# Altium PCB iMX53_BB_PCB_V1I1.PcbDoc (part 7 of 9) (continued)
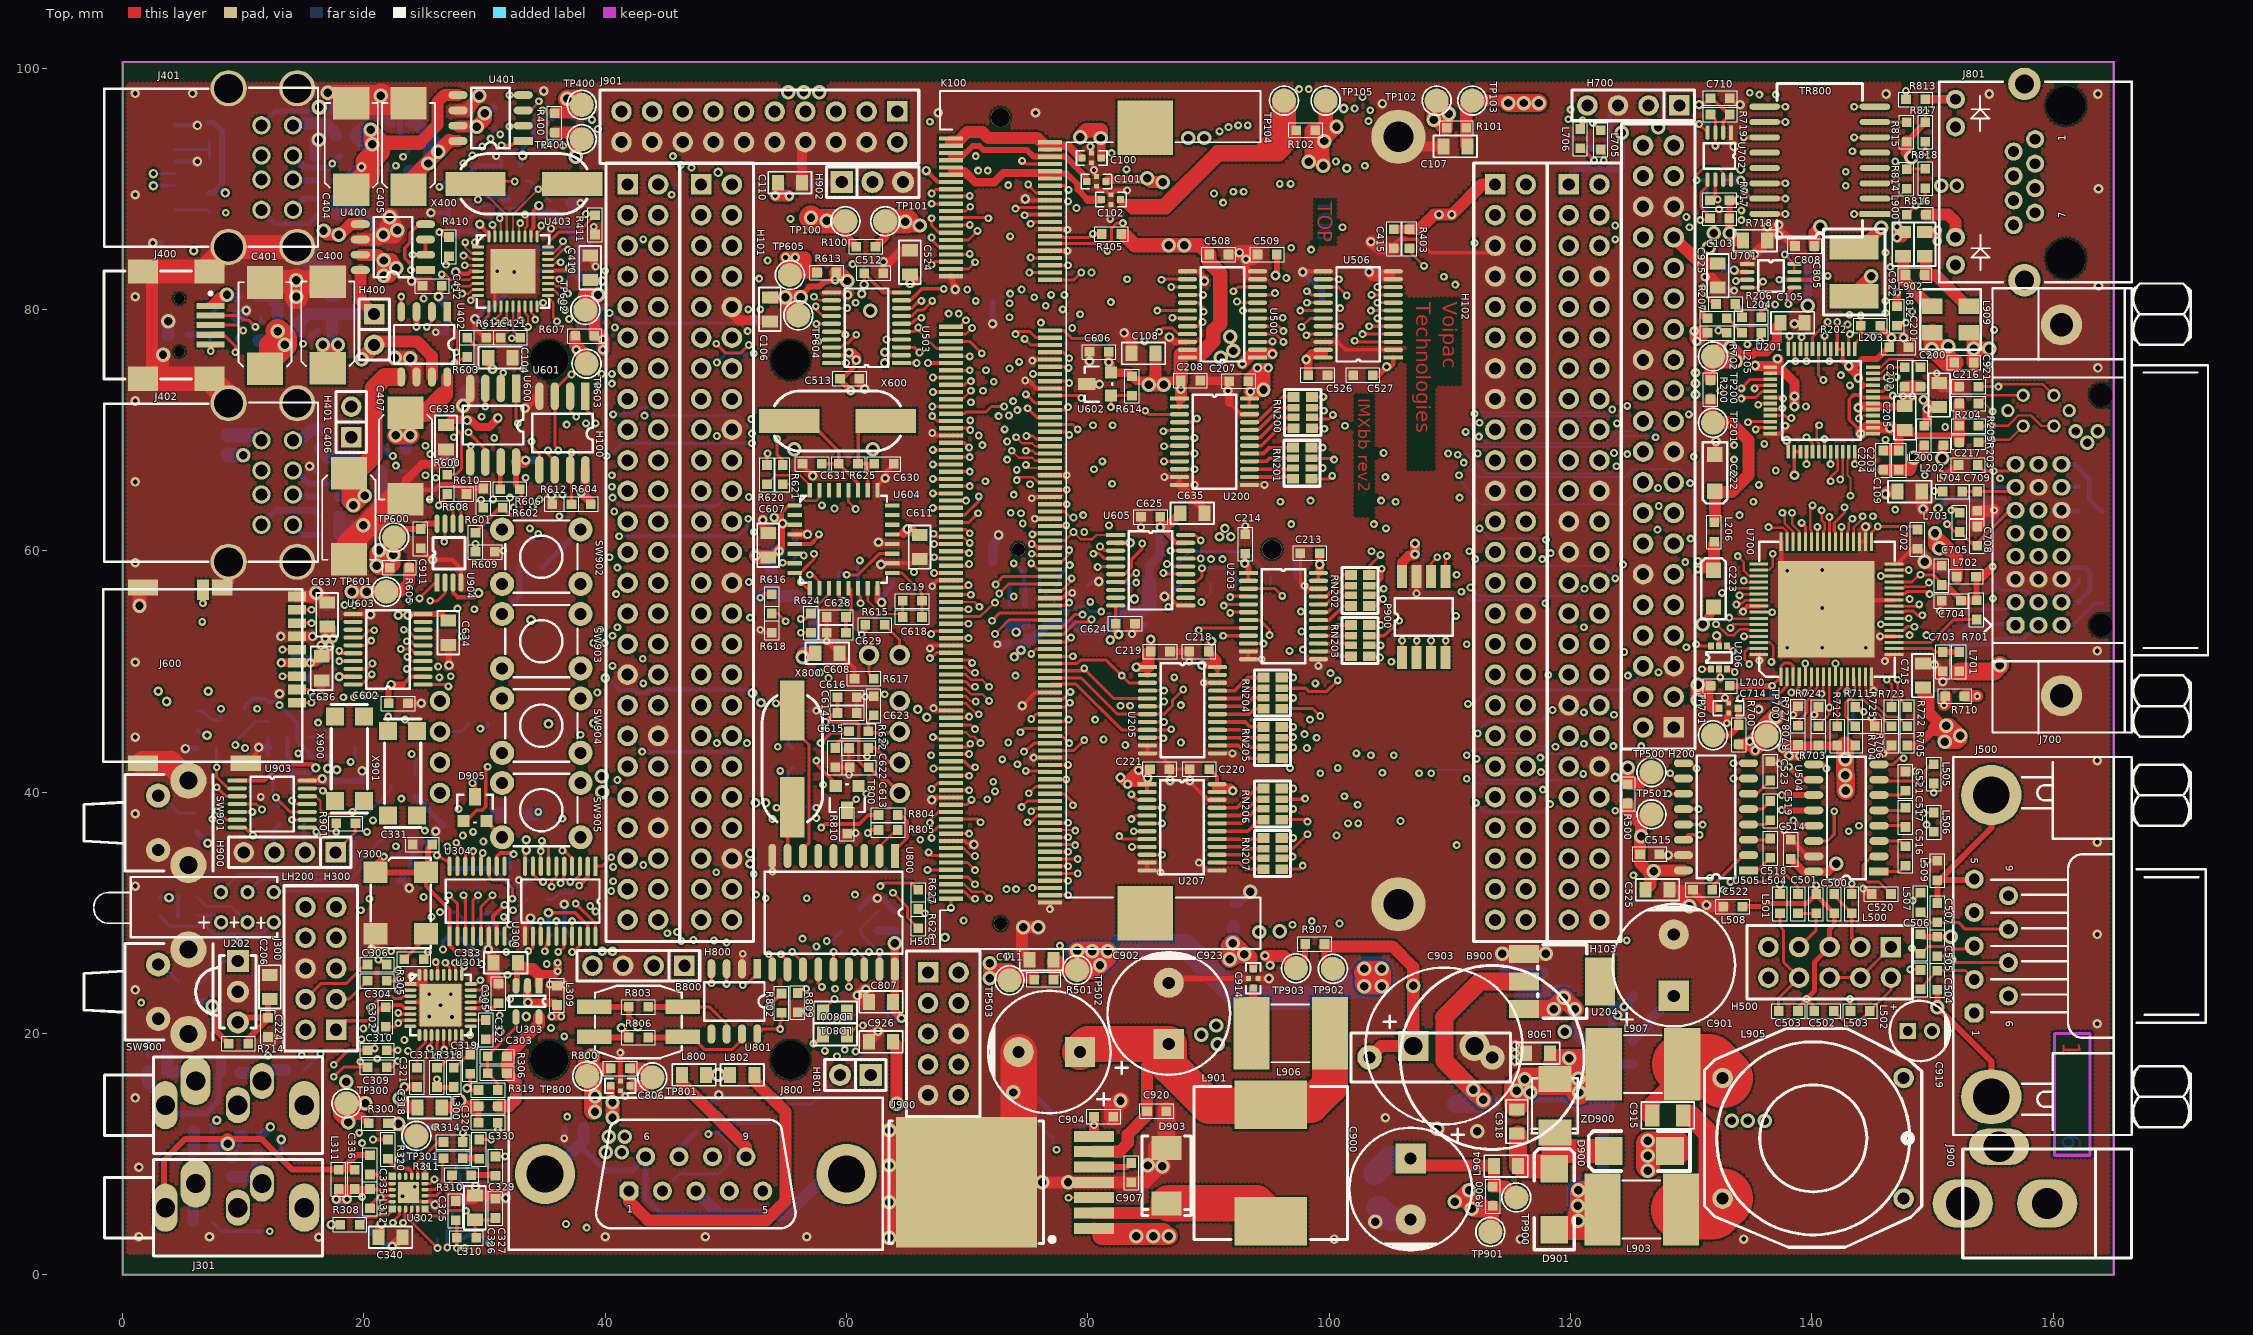
[diagram p0: Top view]
## Nets (pads, with @x,y where several pads share a name; then routed paths per layer and width w, separated by ;. In a path a pad name is that pad's centre, name@x,y a point inside that pad or via, vN(x,y) a via of type N, cw(c..) or ccw(c..) an arc to the next point about the centre after c; other vN are vias at no path point) (continued)
  Bottom w0.25: v1(40.6,64.4) 40.45,64.5 40.575,64.375 41.25,63.7 49.23,63.7 H101.22@50.49,64.96
SSI1_INT: H100.22 K100.83 | length 25.6
  Top w0.25: v1(67.15,65.95) K100.83@68.65,65.95
  SignalH w0.15: H100.22@44.39,64.96 46.16,64.96 47.55,66.35 51.35,66.35 51.8,65.9 54.424,65.9 54.756,65.569 61.204,65.569 61.523,65.25 66.1,65.25 66.8,65.95 v1(67.15,65.95)
SSI1_RXD: H102.22 K100.84 U300.8 | length 123.6
  Top w0.2: v1(74.1,65.85) 74.35,66.1 75.45,66.1 75.9,65.65 K100.84@76.85,65.65
  Top w0.25: U300.8@34.65,33.85 v1(34.65,35.102)
  SignalH w0.15: v1(33.75,61.85) 33.986,62.086 34.614,62.086 36.35,60.35 40.3,60.35 v1(41.15,61.2) ; v1(51.85,62.65) 52.014,62.814 52.414,62.814 53,63.4 54.577,63.4 55.677,62.3 58.127,62.3 58.777,61.65 63.3,61.65 63.8,61.15 66.05,61.15 66.9,62 73.35,62 v1(74.45,63.1) 74.6,63.25 78.45,63.25 78.9,63.7 93.749,63.7 93.949,63.5 97.2,63.5 97.826,62.874 100.224,62.874 100.75,63.4 109.8,63.4 110.25,63.85 115.18,63.85 H102.22@116.29,64.96
  SignalV w0.15: v1(33.75,61.85) 33.81,61.79 33.81,56.59 34.55,55.85 34.55,49.64 33.85,48.94 33.85,44.85 34.3,44.4 34.3,42.034 33.9,41.634 33.9,37.869 34.2,37.569 34.2,35.552 v1(34.65,35.102) ; v1(74.1,65.85) 74.45,65.5 v1(74.45,63.1)
  Bottom w0.25: v1@40.95,61.2 v1(41.15,61.2) 50.95,61.2 51.85,62.1 v1(51.85,62.65)
SSI1_TXD: H101.21 K100.85 U300.6 | length 72.7
  Top w0.25: v1(35.55,32.15) 35.55,32.6 35.95,33 U300.6@35.95,33.85 ; K100.85@68.65,65.35 v1(70.2,65.35)
  SignalH w0.15: v1(36.45,64.65) 37.256,63.844 40.982,63.844 41.326,63.5 46.49,63.5 H101.21@47.95,64.96 48.81,64.96 49.9,66.05 51.1,66.05 51.55,65.6 51.577,65.6 54.3,65.6 54.65,65.25 61.099,65.25 61.449,64.9 66.3,64.9 66.75,65.35 v1(70.2,65.35)
  SignalV w0.15: v1(35.55,32.15) 35.6,32.9 35.6,36.951 35.6,38.95 35.4,39.15 35.4,44.624 35.95,45.174 35.95,46 35.6,46.35 35.6,63.3 36.45,64.15 v1(36.45,64.65)
SSI2_CLK: H102.24 K100.92 U300.4 | length 115.2
  Top w0.25: v1(36.45,35.15) 36.6,35.15 37.25,34.5 U300.4@37.25,33.85 ; K100.92@76.85,63.25 78.05,63.25 78.55,62.75 v1(78.8,62.75)
  SignalH w0.15: v1(78.8,62.75) 79.15,62.4 80.25,62.4 80.95,63.1 93.5,63.1 93.776,62.824 95.176,62.824 96.243,61.757 96.7,61.3 105.2,61.3 105.85,61.95 111.3,61.95 111.95,61.3 115.17,61.3 H102.24@116.29,62.42
  SignalV w0.15: v1(36.45,35.15) 36.2,35.4 36.2,36.75 37.1,37.65 37.1,39.05 36.55,39.6 36.55,39.626 36.3,39.876 36.3,43.974 39.35,47.024 v1(39.35,48.25) ; v1(58.5,49.45) 58.518,49.732 58.518,50.332 58.257,50.593 58.257,51.7 57.65,52.307 57.65,54.05 58,54.4 58,56.9 58.45,57.35 58.45,58.849 59.15,59.549 59.15,63.15 v1(59,63.5)
  Power w0.15: v1(39.35,48.25) 40.1,48.6 42.1,48.6 42.45,48.25 43.4,48.25 43.75,48.6 51,48.6 51.65,49.25 58.2,49.25 v1(58.5,49.45) ; v1(59,63.5) 60.05,62.45 63.2,62.45 63.65,62.9 66.45,62.9 66.7,62.65 68.524,62.65 69.174,63.3 70.3,63.3 70.65,63.65 71.9,63.65 72.25,64 73.25,64 73.55,63.7 74.726,63.7 75.126,63.3 78.25,63.3 v1(78.8,62.75)
SSI2_FS: H101.23 K100.93 U300.3 | length 75.4
  Top w0.25: v1(37.1,32.55) 37.3,32.55 37.9,33.15 U300.3@37.9,33.8 ; K100.93@68.65,62.95 69.8,62.95 70.95,64.1 v1(70.95,64.5)
  SignalH w0.15: H101.23@47.95,62.42 48.42,62.42 49.5,63.5 52.2,63.5 52.75,64.05 54.776,64.05 55.926,62.9 58.376,62.9 59.026,62.25 63.624,62.25 64.224,62.85 69.5,62.85 v1(70.95,64.5)
  SignalV w0.15: v1(37.1,32.55) 37.1,35.3 36.6,35.8 36.6,36.7 37.452,37.552 37.452,39.148 36.6,40 36.6,43.65 37.7,44.75 v1(37.95,44.75) ; H101.23@47.95,62.42 47.95,62.4 49.2,61.15 v1(49.25,44.05)
  Power w0.15: v1(37.95,44.75) 39.75,44.75 41,43.5 42.25,43.5 42.7,43.95 43.55,43.95 44,43.5 48.6,43.5 49.15,44.05 v1(49.25,44.05)
SSI2_INT: H100.23 K100.89 U300.5 | length 69
  Top w0.25: v1(36.3,32.45) 36.3,32.6 36.6,32.9 U300.5@36.6,33.85 ; U300.5@36.65,33.85 U300.5@36.65,33.9 ; K100.89@68.65,64.15 v1(69.9,64.15)
  SignalH w0.15: v1(36.2,62.85) 36.35,63 39.85,63 40.43,62.42 H100.23@41.85,62.42
  SignalV w0.15: v1(36.2,62.85) 35.9,62.55 35.9,46.474 36.25,46.124 36.25,45.05 35.7,44.5 35.7,39.3 35.9,39.1 35.9,36.827 35.9,34.15 36.354,33.696 36.354,32.504 v1(36.3,32.45)
  Power w0.15: H100.23@41.8,62.45 41.85,62.45 42.45,62.45 43.5,63.5 55.85,63.5 56.75,64.4 60.1,64.4 60.35,64.15 v1(69.9,64.15)
SSI2_RXD: H102.23 K100.90 U300.1 | length 114.8
  Top w0.25: U300.1@39.2,33.85 39.75,33.85 v1(40.5,34.6) ; K100.90@76.85,63.85 v1(78.25,63.85)
  SignalH w0.15: v1@78.3,63.8 v1(78.25,63.85) 78.4,64 95.9,64 v1(95.95,64.05) ; v1(96.85,62.2) 96.95,62.1 100.55,62.1 101.25,62.8 113.37,62.8 H102.23@113.75,62.42
  SignalV w0.15: v1(40.5,34.6) 40.5,34.75 41.216,35.466 41.35,35.6 41.95,35.6 42.95,36.6 42.95,42.65 42.45,43.15 42.45,43.7 42.95,44.2 42.95,47.7 42.3,48.35 41.7,48.35 40.75,49.3 40.75,50.3 v1(40.6,50.45) ; v1(57.8,49.9) 57.855,50.145 57.855,51.678 57.35,52.183 57.35,52.426 57.35,54.3 57.7,54.65 57.7,57.05 58.15,57.5 58.15,58.973 58.85,59.673 58.85,62.85 v1(57.95,63.75) ; v1(95.95,64.05) 95.95,63.1 v1(96.85,62.2)
  Power w0.15: v1(40.6,50.45) 41,50.85 42.4,50.85 42.75,50.5 43.45,50.5 43.8,50.85 55.051,50.85 56,49.901 v1(57.8,49.9) ; v1(57.95,63.75) 58.3,64.1 59.25,64.1 60.6,62.75 63.076,62.75 63.676,63.35 66.5,63.35 66.9,62.95 68.4,62.95 69.05,63.6 70.15,63.6 70.5,63.95 71.75,63.95 72.15,64.35 73.35,64.35 73.7,64 74.85,64 75.115,63.735 78.135,63.735 v1(78.25,63.85)
SSI2_TXD: H100.24 K100.91 | length 26.2
  Top w0.25: v1(67.15,63.55) K100.91@68.65,63.55
  SignalH w0.15: H100.24@44.39,62.42 46.27,62.42 47.65,63.8 52.05,63.8 52.6,64.35 54.9,64.35 56.05,63.2 58.5,63.2 59.15,62.55 63.5,62.55 64.15,63.2 66.8,63.2 v1(67.15,63.55)
TSMX: H200.37 R303.2 | length 173.4
  SignalH w0.15: v1(31.6,29.65) 32.309,29.65 33.359,28.6 40.973,28.6 41.273,28.3 v1(45.15,28.3) ; v1(45.5,89.5) 45.8,89.2 51.05,89.2 53.65,91.8 65.5,91.8 67.29,93.59 70.587,93.59 71.027,93.15 76.923,93.15 76.924,93.15 78.856,95.081 90.569,95.081 v1(90.9,94.75) ; v1(90.45,89.6) 90.55,89.7 91.3,89.7 92.35,88.65 105.947,88.65 106.547,89.25 108.023,89.25 108.323,89.55 108.349,89.55 108.649,89.85 110,89.85 112.6,92.45 120.15,92.45 120.9,93.2 124.15,93.2 125.2,92.15 126.8,92.15 127.9,91.05 H200.37@128.55,91.05
  SignalV w0.15: v1(45.15,28.3) 45.15,28.45 45.65,28.95 45.65,89.35 v1(45.5,89.5) ; v1(90.45,89.6) 90.9,90.05 v1(90.9,94.75)
  Bottom w0.3: R303.2@29.45,29.25 29.45,29.4 30.05,30 31.25,30 v1(31.6,29.65)
TSMY: H200.38 R302.2 | length 173
  SignalH w0.15: v1(32.3,27.45) 32.75,27.7 40.6,27.7 40.9,27.4 43.8,27.4 44.1,27.1 46.65,27.1 v1(47.3,27.75) ; v1(47.15,91.75) 47.5,92.1 65.376,92.1 67.166,93.89 70.711,93.89 71.151,93.45 76.8,93.45 78.75,95.4 91.35,95.4 v1(91.65,95.1) ; v1(91.2,88.85) 91.7,88.35 106.071,88.35 106.671,88.95 108.147,88.95 108.447,89.25 108.473,89.25 108.773,89.55 110.25,89.55 112.8,92.1 120.25,92.1 121.05,92.9 123.85,92.9 124.608,92.142 125.7,91.05 H200.38@126.01,91.05
  SignalV w0.15: v1(47.15,91.75) 46.85,91.45 46.85,28.2 v1(47.3,27.75) ; v1(91.2,88.85) 91.2,89.8 91.536,90.136 91.536,94.986 v1(91.65,95.1)
  Bottom w0.3: R302.2@30.65,29.25 30.65,28.9 v1(32.3,27.45)
TSPX: H200.39 R301.2 | length 181.1
  SignalH w0.15: v1(26.55,26.95) 27.6,28 40.724,28 41.024,27.7 44,27.7 44.289,27.411 46.061,27.411 v1(46.3,27.65) ; v1(46.25,91.95) 46.7,92.4 65.2,92.4 66.99,94.19 70.836,94.19 71.276,93.75 76.674,93.75 78.624,95.7 92,95.7 v1(92.45,95.25) ; v1(92.05,89.75) 92.85,88.95 105.823,88.95 106.423,89.55 107.899,89.55 108.199,89.85 108.224,89.85 108.524,90.15 109.85,90.15 112.45,92.75 120,92.75 120.75,93.5 124.35,93.5 124.965,92.885 125.35,92.5 126.75,92.5 127.84,93.59 H200.39@128.55,93.59
  SignalV w0.15: v1(46.25,91.95) 46.5,91.7 46.5,27.75 v1(46.3,27.65) ; v1(92.05,89.75) 92.45,90.15 v1(92.45,95.25)
  Bottom w0.3: v1(26.55,26.95) 26.55,27.65 27.05,28.15 R301.2@27.05,29.25
TSPY: H200.40 R304.2 | length 179
  SignalH w0.15: v1(26.3,30.05) 27.25,30.05 29,28.3 40.849,28.3 41.108,28.04 41.149,28 44.2,28 44.463,27.737 45.487,27.737 45.95,28.2 v1(45.95,28.4) ; v1(45.6,92.7) 65.076,92.7 66.866,94.49 70.96,94.49 71.4,94.05 76.55,94.05 78.5,96 92.5,96 v1(93.25,95.25) ; v1(92.9,89.75) 93.4,89.25 105.699,89.25 106.299,89.85 107.774,89.85 108.074,90.15 108.1,90.15 108.497,90.547 109.797,90.547 112.3,93.05 119.85,93.05 121.042,94.242 123.408,94.242 123.85,93.8 125.8,93.8 H200.40@125.816,93.784 ; H200.40@125.8,93.784 H200.40@125.816,93.784 ; H200.40@126.01,93.59 H200.40@125.816,93.784
  SignalV w0.15: v1(45.6,92.7) 45.6,91.8 46.1,91.3 46.1,28.5 v1(45.95,28.4) ; v1(92.9,89.75) 93.25,90.1 v1(93.25,95.25)
  Bottom w0.3: v1(26.3,30.05) 27.65,30.05 28.25,29.45 R304.2@28.25,29.25
TVDD: C704.2 C705.2 L702.1 R701.1 U700.23 U700.29 | length 17.6
  Top w0.25: U700.23@146.8,54.4 v1(148.027,54.4) ; U700.29@146.8,57.4 148.3,57.4 v1@148.95,58.05 ; v1(149,58) 150.05,58 150.75,57.3 C705.2@150.75,57.15 ; C704.2@152.35,55.85 C704.2@152.35,55.95 ; R701.1@153.6,55.85 R701.1@153.65,55.9
  Top w0.5: C705.2@150.75,57.15 151.15,57.15 C704.2@152.35,55.95 ; L702.1@153.6,57.85 153.65,57.8 R701.1@153.65,55.9
  Top w0.7: C704.2@152.35,55.85 R701.1@153.6,55.85 ; L702.1@153.6,57.85 154.157,57.85 v1(154.99,58.683)
  Power w0.5: v1(148.027,54.4) 148.027,55.023 147.375,55.675 147.375,56.375 v1(149,58)
TXCAN: H800.2 R804.1 U801.1 | length 33.2
  Top w0.25: v1(51.4,24) 51.65,24 52.6,24.95 U801.1@52.6,25.35
  Top w0.3: v1(57.9,37.05) 58.2,37.35 61.05,37.35 61.8,38.1 R804.1@62.65,38.1
  SignalH w0.15: H800.2@44.02,25.6 45.17,24.45 47.95,24.45 48.25,24.75 50.65,24.75 v1(51.4,24) ; v1(53.3,31.2) v1(56.7,31.2)
  SignalV w0.15: v1(51.4,24) 52.3,24.9 52.3,30.2 v1(53.3,31.2) ; v1(56.7,31.2) 57.304,31.804 57.304,36.454 v1(57.9,37.05)
TXN: J801.2 TR800.3 | length 14
  Top w0.15: v1@146.85,92.03 v1(146.9,92.25)
  Top w0.25: TR800.3@145.222,90.445 146.395,90.445 146.9,90.95 v1(146.9,92.25)
  SignalH w0.15: v1(146.9,92.25) 147.4,91.75 149.4,91.75 150.73,93.08 J801.2@156.72,93.08
TXP: J801.1 TR800.1 | length 22.5
  Top w0.25: v1(143.5,87.905) TR800.1@145.222,87.905
  SignalH w0.15: v1(143.35,93.1) 147.55,93.1 148.55,94.1 J801.1@158.5,94.1
  SignalV w0.15: v1(143.35,93.1) 143.35,88.055 v1(143.5,87.905)
UART1_CTS: H103.15 K100.62 U506.18 | length 85.3
  Top w0.25: v1@74.9,72.954 75.604,72.25 K100.62@76.85,72.25 ; v1@97.75,79.9 U506.18@99.5,79.9
  SignalH w0.15: v1(74.86,72.954) 78.296,72.954 79.2,72.05 80.25,72.05 80.65,72.45 88.8,72.45 90.6,70.65 97.75,70.65 99.25,72.15 100.7,72.15 100.95,71.9 112.45,71.9 113.2,71.15 118.43,71.15 H103.15@119.85,72.57 ; v1(75.55,80.998) 76.702,82.15 78.45,82.15 78.7,81.9 80.374,81.9 80.972,82.497 81.524,83.05 90.5,83.05 91.119,82.431 91.3,82.25 92.676,82.25 94.426,80.5 97.15,80.5 97.675,79.975 v1@97.75,79.9
  SignalV w0.15: v1(74.86,72.954) 74.86,72.99 74.25,73.6 74.25,74.6 74.85,75.2 74.85,76.65 75.55,77.35 v1(75.55,80.998)
  other v1: 97.6,79.9
UART1_CTS_3V3: U500.6 U504.9 | length 89
  Top w0.25: U500.6@94.05,79.25 96.15,79.25 96.175,79.275 v1@96.2,79.3
  Top w0.5: U504.9@140.14,42.3 140.15,42.3 140.85,42.3 v1(141.2,41.95)
  SignalH w0.15: v1(117.55,41.65) 118.25,40.95 120.45,40.95 120.75,40.65 122.926,40.65 123.426,40.15 127.2,40.15 127.45,40.4 139.65,40.4 v1(141.2,41.95)
  SignalV w0.15: v1@96.2,79.3 97.05,78.45 97.05,71.8 101.1,67.75 101.1,50.923 102.25,49.773 102.25,47.127 101.3,46.177 101.3,42.75 101.55,42.5 101.55,39.95 v1(101.25,39.65)
  Power w0.15: v1(101.25,39.65) 101.3,39.65 101.753,40.103 107.003,40.103 107.712,40.812 v1(108.45,41.55)
  Bottom w0.15: v1(108.45,41.55) 108.75,41.85 112,41.85 112.85,41 116.9,41 v1(117.55,41.65)
  other v1: 96.15,79.3
UART1_CTS_RS232: L507.1 U504.8 | length 15.6
  Top w0.25: U504.8@145.76,42.5 U504.8@145.55,42.29 146.74,42.29 147.25,42.8 v1(147.6,42.8) ; v1(148.35,31) L507.1@149,31.65
  SignalV w0.15: v1(147.6,42.8) 147.6,31.75 v1(148.35,31)
UART1_RTS: H101.15 K100.61 U500.18 | length 50.4
  Top w0.2: K100.61@68.65,72.55 69.6,72.55 v1(70.3,73.25)
  Top w0.25: v1(85.75,79.9) U500.18@88.25,79.9
  SignalH w0.15: H101.15@47.95,72.57 48.73,73.35 49.579,73.35 49.879,73.65 51.95,73.65 53.85,71.75 66.05,71.75 66.85,72.55 69.6,72.55 v1(70.3,73.25) ; v1(73.5,80.5) 74.25,79.75 77.35,79.75 77.75,79.35 78.25,79.35 79.15,80.25 79.75,80.25 80,80 85.65,80 v1@85.7,79.95
  SignalV w0.15: v1(70.3,73.25) 70.9,73.85 70.9,75.2 71.85,76.15 71.85,77.65 72.95,78.75 72.95,79.95 v1(73.5,80.5)
UART1_RTS_3V3: U504.10 U506.6 | length 77.2
  Top w0.25: v1(104,79.25) U506.6@105.3,79.25
  Top w0.5: v1(138.1,42.1) 139.18,41.02 U504.10@140.15,41.02
  SignalH w0.15: v1(105.35,43.05) v1(111.4,43.05) ; v1(118.75,43.75) 119.3,43.2 122.826,43.2 123.326,42.7 124.124,42.7 124.324,42.9 125.026,42.9 126.926,41 128.7,41 130.4,42.7 131.1,42.7 132,41.8 137.8,41.8 v1(138.1,42.1)
  SignalV w0.15: v1(104,79.25) 104,78.5 103.6,78.1 103.6,65.6 102.65,64.65 102.65,51.494 105.35,48.794 v1(105.35,43.05)
  Bottom w0.15: v1(111.4,43.05) 111.9,43.55 116.826,43.55 117.076,43.8 v1@118.7,43.8
UART1_RTS_RS232: L505.1 U504.7 | length 5.5
  Top w0.25: U504.7@145.55,41.02 145.67,40.9 v1(149,40.9) 149.35,41.25 149.35,41.75 149.9,42.3 L505.1@150.1,42.3
UART1_RXD: H102.16 K100.60 U500.19 | length 58.6
  Top w0.25: K100.60@76.85,72.85 79.25,72.85 v1(79.45,72.65) ; v1(87,79.3) U500.19@88.2,79.3
  SignalH w0.15: v1(79.35,79.6) 79.45,79.7 84.573,79.7 84.973,79.3 v1(87,79.3) ; v1(79.45,72.65) 79.55,72.75 88.924,72.75 90.724,70.95 96.9,70.95 99.25,73.3 100,73.3 101.1,72.2 112.574,72.2 113.324,71.45 115.17,71.45 H102.16@116.29,72.57
  SignalV w0.15: v1@79.4,79.55 v1(79.35,79.6) 79.35,72.75 v1(79.45,72.65)
UART1_RXD_3V3: U500.5 U504.12 | length 86.1
  Top w0.25: U500.5@94.05,78.6 95.8,78.6 v1(96.2,78.2)
  Top w0.5: v1@137.489,38.48 U504.12@140.15,38.48
  SignalV w0.15: v1(96.2,78.2) 96.75,77.65 96.75,70.35 100.07,67.03 100.22,67.03 100.8,66.45 100.8,65 100.7,64.9 100.7,50.899 101.95,49.649 101.95,47.251 101.537,46.839 101,46.301 101,42.55 101.25,42.3 101.25,41.15 100.7,40.6 100.7,39.1 v1(102.4,37.4)
  Power w0.15: v1(102.4,37.4) 103.15,38.15 122.9,38.15 123.15,37.9 125.25,37.9 126.55,39.2 130.95,39.2 131.648,38.502 v1(137.489,38.5)
UART1_RXD_RS232: L502.1 U504.13 | length 22
  Top w0.25: v1(148.15,25.3) L502.1@149,25.3
  Top w0.5: v1(138.45,37.65) 138.89,37.21 U504.13@140.15,37.21
  SignalH w0.15: v1(138.45,37.65) 143.45,37.65 v1(143.9,37.2)
  SignalV w0.15: v1(143.9,37.2) 145.8,35.3 145.8,30.2 147.75,28.25 147.75,25.7 v1(148.15,25.3)
UART1_TXD: H100.16 K100.59 U506.19 | length 69
  Top w0.25: v1(67.15,73.15) K100.59@68.65,73.15 ; v1(97.7,78.55) 98.4,79.25 U506.19@99.45,79.25
  SignalH w0.15: H100.16@44.39,72.57 45.85,72.57 46.93,73.65 49.454,73.65 49.754,73.95 52.1,73.95 54,72.05 65.85,72.05 66.95,73.15 v1(67.15,73.15) ; v1(68.45,79.65) 69,80.2 69.55,80.2 69.8,79.95 72,79.95 73.15,78.8 75.205,78.8 76.6,77.405 79.48,77.405 80.526,78.45 81.7,78.45 83.7,76.45 88.85,76.45 91.45,79.05 93.35,79.05 94.2,79.9 96.35,79.9 v1(97.7,78.55)
  SignalV w0.15: v1(67.15,73.15) 68.15,74.15 68.15,79.35 v1(68.45,79.65)
UART1_TXD_3V3: U504.11 U506.5 | length 77.3
  Top w0.25: v1(103.3,78.6) U506.5@105.3,78.6
  Top w0.5: v1(137.5,39.75) U504.11@140.15,39.75
  SignalV w0.15: v1@103.3,78.65 v1(103.3,78.6) 103.3,65.724 102.35,64.774 102.35,51.37 104.4,49.32 v1(104.4,41.6)
  Power w0.15: v1(104.4,41.6) 104.95,42.15 111.65,42.15 112.85,40.95 122.85,40.95 123.35,40.45 128.9,40.45 129.6,39.75 v1(137.5,39.75)
UART1_TXD_RS232: L506.1 U504.14 | length 12.4
  Top w0.25: U504.14@140.15,35.94 141.29,35.94 141.85,36.5 v1(141.85,38.4) ; v1@149.3,38.3 L506.1@150.1,38.3
  SignalH w0.15: v1(141.85,38.4) 142.25,38.8 148.7,38.8 v1(149.25,38.25)
UART2_CTS: H102.17 K100.66 U506.20 | length 81.3
  Top w0.25: v1(75,71.8) 75.75,71.05 K100.66@76.85,71.05 ; U506.20@99.5,78.6 v1(100.9,78.6)
  SignalH w0.15: v1(75,71.8) 75.85,70.95 79.074,70.95 79.424,71.3 83,71.3 83.85,72.15 88.65,72.15 90.45,70.35 99,70.35 99.35,70.7 100.75,70.7 101,70.95 102.25,70.95 102.5,70.7 110.33,70.7 110.63,70.4 111.68,70.4 112.05,70.03 H102.17@113.75,70.03 ; v1@76.15,78.95 v1(76.1,78.9) 76.95,78.9 78.145,77.705 79.356,77.705 80.451,78.8 83.15,78.8 83.8,78.15 83.8,77.45 84.5,76.75 88.7,76.75 91.3,79.35 93.2,79.35 93.933,80.083 94.05,80.2 96.5,80.2 97.45,79.25 100.25,79.25 v1(100.9,78.6)
  SignalV w0.15: v1(75,71.8) 76,72.8 76,78.85 v1(76.1,78.9)
UART2_CTS_3V3: U500.4 U505.9 | length 73.8
  Top w0.25: U500.4@94.05,77.95 95.55,77.95 v1(96.2,77.3) ; U505.9@129.348,42.35 129.35,42.35 130.048,42.35 v1(130.448,41.95)
  SignalH w0.15: v1(100.7,42) 101.15,42 102.3,40.85 108.7,40.85 109.4,41.55 110.95,41.55 v1(111.4,41.1) ; v1(121.05,41.5) 121.55,41 123,41 123.55,40.45 127.076,40.45 127.326,40.7 129.198,40.7 v1(130.448,41.95)
  SignalV w0.15: v1@96.25,77.25 96.25,69.05 100.4,64.9 100.4,50.774 101.65,49.524 101.65,47.376 100.7,46.426 v1(100.7,42)
  Bottom w0.15: v1(111.4,41.1) 111.8,40.7 117.3,40.7 117.6,41 120.55,41 v1(121.05,41.5)
UART2_CTS_RS232: L501.2 U505.8 | length 17.7
  Top w0.25: v1(133.498,42.39) U505.8@134.75,42.39 ; L501.2@137.35,31.55 v1(137.35,32.3)
  SignalH w0.15: v1(132.65,31.9) 136.95,31.9 v1(137.35,32.3)
  SignalV w0.15: v1(132.65,31.9) 132.65,32.85 132.873,33.073 132.873,41.765 v1(133.498,42.39)
UART2_RTS: H100.17 K100.65 U500.20 | length 64.2
  Top w0.25: K100.65@68.65,71.35 69.75,71.35 69.9,71.5 71.55,71.5 72,71.95 v1(73.05,71.95) ; U500.20@88.25,78.6 89.15,78.6 v1(89.5,78.95)
  SignalH w0.15: v1(73.5,79.35) 73.6,79.45 77.226,79.45 77.626,79.05 79.6,79.05 79.95,79.4 84.449,79.4 85.099,78.75 89.3,78.75 v1(89.5,78.95)
  SignalV w0.15: v1(73.05,71.95) 73.05,74.15 72.65,74.55 72.65,77.95 73.5,78.8 v1(73.5,79.35)
  Power w0.15: H100.17@41.85,70.03 41.7,70.18 41.7,70.6 42.95,71.85 43.5,71.85 43.9,71.45 51,71.45 51.55,72 65.95,72 66.5,72.55 68.25,72.55 69.12,71.68 70.73,71.68 70.95,71.9 v1@73,71.9
UART2_RTS_3V3: U505.10 U506.4 | length 66.7
  Top w0.25: v1(102.75,77.95) U506.4@105.25,77.95 ; v1(128.25,41.55) 128.68,41.12 U505.10@129.35,41.12
  SignalH w0.15: v1(103.45,43.05) 104.05,42.45 111.85,42.45 v1(112.2,42.75) ; v1(121.1,44) 121.55,43.5 122.95,43.5 123.45,43 124,43 124.2,43.2 125.15,43.2 126.8,41.55 v1(128.25,41.55)
  SignalV w0.15: v1@102.75,78 v1(102.75,77.95) 102.75,65.599 102.05,64.899 102.05,51.246 103.45,49.846 v1(103.45,43.05)
  Bottom w0.15: v1(112.2,42.75) 112.7,43.25 117.05,43.25 117.3,43.5 117.8,43.5 118.1,43.2 120.15,43.2 120.95,44 v1(121.1,44)
UART2_RTS_RS232: L504.1 U505.7 | length 16.7
  Top w0.25: v1(133.25,32.55) 136.1,32.55 136.65,33.1 137.9,33.1 138.85,32.15 L504.1@138.85,31.55 ; v1(133.498,41.12) U505.7@134.75,41.12
  SignalV w0.15: v1(133.25,32.55) 133.25,40.872 v1(133.498,41.12)
UART2_RXD: H103.16 K100.64 U500.21 | length 67.5
  Top w0.25: K100.64@76.85,71.65 78.1,71.65 v1(78.35,71.9) ; v1(85.9,78.15) 86.2,78.45 87,78.45 U500.21@87.5,77.95 ; 87.05,78.4 U500.21@87.5,77.95 ; U500.21@88.25,77.95 U500.21@87.5,77.95
  SignalH w0.15: v1(78.7,78.45) 79.45,78.45 80.1,79.1 84.324,79.1 85.274,78.15 v1(85.9,78.15)
  SignalV w0.15: v1(78.35,71.9) 78.35,72.65 79,73.3 79,76.35 78.7,76.65 v1(78.7,78.45)
  Power w0.15: v1(78.35,71.9) 79.7,71.9 80.3,72.5 82.55,72.5 82.9,72.15 85.7,72.15 87.6,70.25 96.2,70.25 99.3,73.35 100.4,73.35 101.5,72.25 112.524,72.25 113.324,71.45 121.22,71.45 122.365,72.595 H103.16@122.39,72.62
UART2_RXD_3V3: U500.3 U505.12 | length 78.2
  Top w0.25: U500.3@94.05,77.3 v1@95.3,77.3 ; U505.12@129.35,38.58 v1(130.602,38.58)
  SignalV w0.15: v1@95.3,77.3 95.95,76.65 95.95,68.9 100.1,64.75 100.1,50.65 101.35,49.4 101.35,47.5 100.1,46.25 100.1,36.9 v1(100.6,36.4)
  Power w0.15: v1(100.6,36.4) 111.3,36.4 112.1,35.6 123.65,35.6 126.63,38.58 v1(130.602,38.58)
  other v1: 95.3,77.35
UART2_RXD_RS232: L503.2 U505.13 | length 29.6
  Top w0.2: v1(143.15,22.85) 143.2,22.8 L503.2@143.2,21.85
  Top w0.25: U505.13@129.35,37.31 v1(130.943,37.301)
  SignalH w0.15: v1(130.943,37.301) 130.943,37.257 131.95,36.25 142.55,36.25 v1(143.05,36.75)
  SignalV w0.15: v1(143.05,36.75) 143.05,33.4 142.75,33.1 142.75,23.25 v1(143.15,22.85)
UART2_TXD: H101.16 K100.63 U506.21 | length 61.8
  Top w0.25: v1(67.1,71.95) K100.63@68.65,71.95 ; v1(98.1,77.85) 98.2,77.95 U506.21@99.5,77.95
  SignalH w0.15: H101.16@50.49,72.57 52.58,72.57 53.7,71.45 66.6,71.45 v1(67.1,71.95) ; v1(69.3,79.65) 70.35,79.65 71.9,78.1 72.5,78.1 72.9,78.5 75.05,78.5 76.445,77.105 79.605,77.105 80.65,78.15 81.5,78.15 83.5,76.15 89,76.15 91.6,78.75 96.65,78.75 97.55,77.85 v1(98.1,77.85)
  SignalV w0.15: v1(67.1,71.95) 68.45,73.3 68.45,78.8 v1(69.3,79.65)
UART2_TXD_3V3: U505.11 U506.3 | length 71.9
  Top w0.25: v1@102.1,77.3 U506.3@105.2,77.3 ; v1(128.098,39.85) U505.11@129.35,39.85
  SignalH w0.15: v1@102.426,38.85 111.9,38.85 v1(112.15,39.1) ; v1(118.3,39) 118.85,38.45 122.85,38.45 124.25,39.85 v1(128.098,39.85)
  SignalV w0.15: v1(102.1,77.4) 102.45,77.05 102.45,65.723 101.75,65.023 101.75,51.121 103.15,49.721 103.15,43.6 102.9,43.35 102.9,39.5 v1(102.35,38.95)
  Bottom w0.15: 112.803,38.4 112.85,38.4 ; 117.174,38.4 117.224,38.35 117.65,38.35
  Bottom w0.25: v1(112.15,39.1) 112.85,38.4 112.9,38.35 117.224,38.35 117.65,38.35 v1(118.3,39)
UART2_TXD_RS232: L500.1 U505.14 | length 18.4
  Top w0.25: L500.1@143.3,31.55 v1(143.3,32.402)
  Top w0.3: U505.14@129.35,36.04 129.76,36.45 v1(130.7,36.45)
  SignalH w0.15: v1(131.55,32.9) 131.75,33.1 141.052,33.1 141.75,32.402 v1(143.3,32.402)
  SignalV w0.15: v1(130.7,36.45) 131.3,35.85 131.3,33.15 v1(131.55,32.9)
UART3_CTS: H103.17 K100.70 | length 45.5
  Top w0.15: K100.70@76.85,69.85 K100.70@76.9,69.8
  Top w0.25: K100.70@76.85,69.85 78.2,69.85 v1(78.45,69.6)
  SignalH w0.15: v1(78.45,69.6) 78.9,69.15 84.6,69.15 86,70.55 88.1,70.55 88.55,70.1 89,70.1 89.95,69.15 102.374,69.15 102.574,69.35 110.534,69.35 111.284,68.6 111.75,68.6 118.42,68.6 H103.17@119.85,70.03
UART3_RTS: H101.17 K100.69 | length 25.2
  Top w0.25: K100.69@68.65,70.15 70.1,70.15 v1(70.25,70)
  SignalH w0.15: H101.17@48.23,70.03 H101.17@47.95,70.03 49.05,71.13 49.05,71.15 51.05,71.15 51.9,70.3 69.95,70.3 v1(70.25,70)
UART3_RXD: H102.18 K100.68 U500.17 | length 63.9
  Top w0.25: K100.68@76.85,70.45 78.75,70.45 v1(79.15,70.05) ; U500.17@88.25,80.55 89.15,80.55 89.6,80.1 v1(89.6,79.8)
  SignalH w0.15: v1(79.15,70.05) 79.75,69.45 84.35,69.45 85.75,70.85 88.224,70.85 88.674,70.4 89.15,70.4 90.1,69.45 102.25,69.45 102.45,69.65 110.7,69.65 111.45,68.9 115.16,68.9 H102.18@116.29,70.03 ; v1(81.9,80.6) 82.047,80.453 86.097,80.453 86.7,79.85 v1@89.55,79.85 ; v1@89.55,79.8 v1(89.6,79.8)
  SignalV w0.15: v1(79.15,70.05) 80,70.9 80,74.55 80.8,75.35 80.8,76.05 80.2,76.65 80.2,78.9 v1(81.9,80.6)
UART3_TXD: H100.18 K100.67 U506.17 | length 69.8
  Top w0.25: v1(67.1,71.15) 67.5,70.75 K100.67@68.65,70.75 ; v1@98.2,80.55 U506.17@99.5,80.55
  SignalH w0.15: H100.18@44.39,70.03 46.13,70.03 47.55,71.45 53.25,71.45 53.55,71.15 v1(67.1,71.15) 67.35,71.4 70.924,71.4 72.124,72.6 73.6,72.6 v1(73.8,72.4) ; v1(74.5,81.65) 75.05,82.2 75.65,82.2 75.9,82.45 78.626,82.45 78.876,82.2 80.25,82.2 81.4,83.35 90.65,83.35 91.45,82.55 92.8,82.55 94.55,80.8 97.274,80.8 97.524,80.55 v1(98.15,80.55) v1@98.2,80.55
  SignalV w0.15: v1(73.8,72.4) 73.8,73.824 72.95,74.674 72.95,77.826 74.5,79.376 v1(74.5,81.65)
USBDN1_DM: B401.4 J401.2 U403.1 | length 32.5
  Top w0.25: v1(29.2,85.55) 29.45,85.6 29.45,85.55 U403.1@29.45,85.15
  SignalH w0.2: J401.2@11.5,92.75 12,92.75 13.4,94.15 14.7,94.15 15.75,93.1 20,93.1 20.45,92.65 v1(23.25,92.65)
  SignalH w0.25: v1(23.25,92.65) 24.95,94.35 28.344,94.35 28.544,94.15 v1(30.5,94.15)
  SignalV w0.2: v1(29.2,85.55) 29.2,85.7 28.8,86.1 28.8,90.1 30.216,91.516 30.216,92.916 30.5,93.2 v1(30.5,94.15)
  SignalV w0.25: v1(29.2,85.55) v1@29.4,85.65
  Bottom w0.25: v1(23.25,92.65) 23.95,93.35 B401.4@23.95,93.45
USBDN1_DP: B401.2 J401.3 U403.2 | length 33.1
  Top w0.2: v1(28.4,85.55) 28.4,85.15 28.9,84.65 U403.2@29.45,84.65
  SignalH w0.2: J401.3@11.75,90.75 J401.3@11.5,90.75 11.5,91.15 12.65,92.3 12.65,92.85 13.6,93.8 14.55,93.8 15.084,93.266 15.65,92.7 19.9,92.7 20.7,91.9 v1(22.65,91.9)
  SignalH w0.25: v1@22.8,92.05 22.9,91.95 23.45,91.95 25.45,93.95 28.15,93.95 28.6,93.5 v1(29.8,93.5)
  SignalV w0.2: v1(28.4,85.55) 28.4,90.3 29.8,91.7 v1(29.8,93.5)
  Bottom w0.25: B401.2@21.95,91.45 22.2,91.45 v1(22.65,91.9)
USBDN2_DM: B402.4 J401.6 U403.3 | length 27.8
  Top w0.2: v1(28.25,84.45) 28.45,84.55 28.8,84.2 29.4,84.2 U403.3@29.45,84.15
  SignalH w0.2: v1(17.377,92.077) 18.423,92.077 19.4,91.1 25.65,91.1 27.3,92.75 v1(29,92.75)
  SignalV w0.2: v1(28.25,84.45) 28.25,84.75 27.8,85.2 27.8,90.4 29,91.6 v1(29,92.75)
  Bottom w0.5: J401.6@14.12,92.75 15.12,91.75 17.05,91.75 v1(17.377,92.077) B402.4@18,92.7
USBDN2_DP: B402.2 J401.7 U403.4 | length 27.6
  Top w0.2: v1(28.353,83.65) U403.4@29.45,83.65
  SignalH w0.2: J401.7@14.12,90.75 14.77,91.4 18.5,91.4 19.2,90.7 25.75,90.7 26.815,91.765 27.15,92.1 v1(28.25,92.1)
  SignalV w0.2: v1(28.25,92.1) 28.25,91.4 27.4,90.55 27.4,84.4 28.15,83.65 v1(28.353,83.65)
  Bottom w0.5: J401.7@14.12,90.75 14.17,90.7 B402.2@16,90.7
USBDN3_DM: B403.4 J402.2 U403.6 | length 34.9
  Top w0.2: v1(26.45,82.9) 26.75,82.9 27.2,82.45 28.75,82.45 28.95,82.65 U403.6@29.45,82.65
  SignalH w0.15: J402.2@11.5,66.65 12.2,66.65 13.55,68 22.25,68 v1(22.4,67.85) 22.5,67.7 24.1,67.7 v1(25.1,68.7)
  SignalV w0.2: v1(25.1,68.7) 25.1,71.15 25.75,71.8 25.75,77.081 26.882,78.214 26.882,82.468 v1(26.45,82.9)
  Bottom w0.25: B403.4@21.45,68.6 21.45,68.9 B403.4@21.598,68.723
  Bottom w0.5: B403.4@21.45,68.6 22.2,67.85 v1(22.4,67.85)
USBDN3_DP: B403.2 J402.3 U403.7 | length 34.1
  Top w0.2: v1(27.55,81.85) 27.605,81.905 28.755,81.905 29,82.15 U403.7@29.45,82.15
  SignalH w0.15: J402.3@11.5,64.65 11.5,65.2 13,66.7 13,66.95 13.75,67.7 21.7,67.7 22.35,67.05 v1(22.65,67.05) 24.55,67.05 v1(25.5,68)
  SignalV w0.2: v1(25.5,68) 25.85,68.35 25.85,71.2 26.15,71.5 26.15,76.845 27.55,78.245 v1(27.55,81.85)
  Bottom w0.3: v1(22.65,67.05) 23.05,66.6 B403.2@23.45,66.6
USBDN4_DM: B404.4 J402.6 U403.8 | length 34.1
  Top w0.2: v1(28.15,81.3) 28.651,81.3 29.001,81.65 U403.8@29.45,81.65
  SignalH w0.15: J402.6@14.12,66.65 14.77,66 24.85,66 v1(25.1,66.25)
  SignalV w0.2: v1(25.1,66.25) 26.5,67.5 26.5,76.7 28.1,78.3 28.1,81.25 v1(28.15,81.3)
  Bottom w0.5: J402.6@14.12,66.65 14.3,66.65 15.4,65.55 17.25,65.55 B404.4@18.2,66.5
USBDN4_DP: B404.2 J402.7 U403.9 | length 31.2
  Top w0.2: v1(28.85,80.75) 29.4,81.15 U403.9@29.45,81.15
  SignalH w0.15: J402.7@14.12,64.65 15.12,65.65 25.55,65.65 v1(25.95,66.05)
  SignalV w0.2: v1(25.95,66.05) 25.95,66.4 26.85,67.3 26.85,76.5 28.55,78.2 28.55,80.45 v1(28.85,80.75)
  Bottom w0.5: J402.7@14.12,64.65 14.27,64.5 B404.2@16.2,64.5
USBH1_DM: K100.29 U403.30 | length 44.8
  Top w0.15: K100.29@68.65,85.75 K100.29@68.7,85.75
  Top w0.2: U403.30@33.35,86.05 33.35,86.7 33.55,86.9 33.55,87.65 v1(33.35,87.85)
  Top w0.25: K100.29@68.7,85.75 70.1,85.75 v1(70.85,86.5)
  SignalH w0.15: v1(33.35,87.85) 35.4,87.85 36.3,87.85 37.6,86.55 38.4,86.55 38.789,86.161 39.564,85.386 40.189,85.386 41.424,84.15 51.25,84.15 53.2,86.1 66.4,86.1 66.8,86.5 68.5,86.5 68.85,86.15 70.5,86.15 v1(70.85,86.5)
USBH1_DP: K100.31 U403.31 | length 39.8
  Top w0.2: U403.31@32.85,86.05 32.85,86.85 v1(32.95,87.15)
  Top w0.25: v1(67.05,85.95) 67.05,85.75 67.65,85.15 K100.31@68.65,85.15
  SignalH w0.15: v1(32.95,87.15) 33.55,87.15 33.95,87.55 36.1,87.55 37.4,86.25 38.274,86.25 39.474,85.05 40.1,85.05 41.3,83.85 51.4,83.85 53.35,85.8 66.9,85.8 v1(67.05,85.95)
USBH1_PEN: H100.8 K100.27 | length 31.3
  Top w0.25: v1(67.05,87.55) 67.05,86.95 67.65,86.35 K100.27@68.65,86.35
  SignalH w0.15: v1(43.15,85.8) 43.75,86.4 62.05,86.4 63.8,88.15 66.276,88.15 v1@66.876,87.55 ; v1@66.838,87.512 66.925,87.425 v1@67.05,87.3
  SignalV w0.15: v1(43.15,85.8) 43.15,83.97 H100.8@44.39,82.73